# Altium PCB LOGTURTLE_APR_25_TX.PcbDoc (part 1 of 5) (continued)
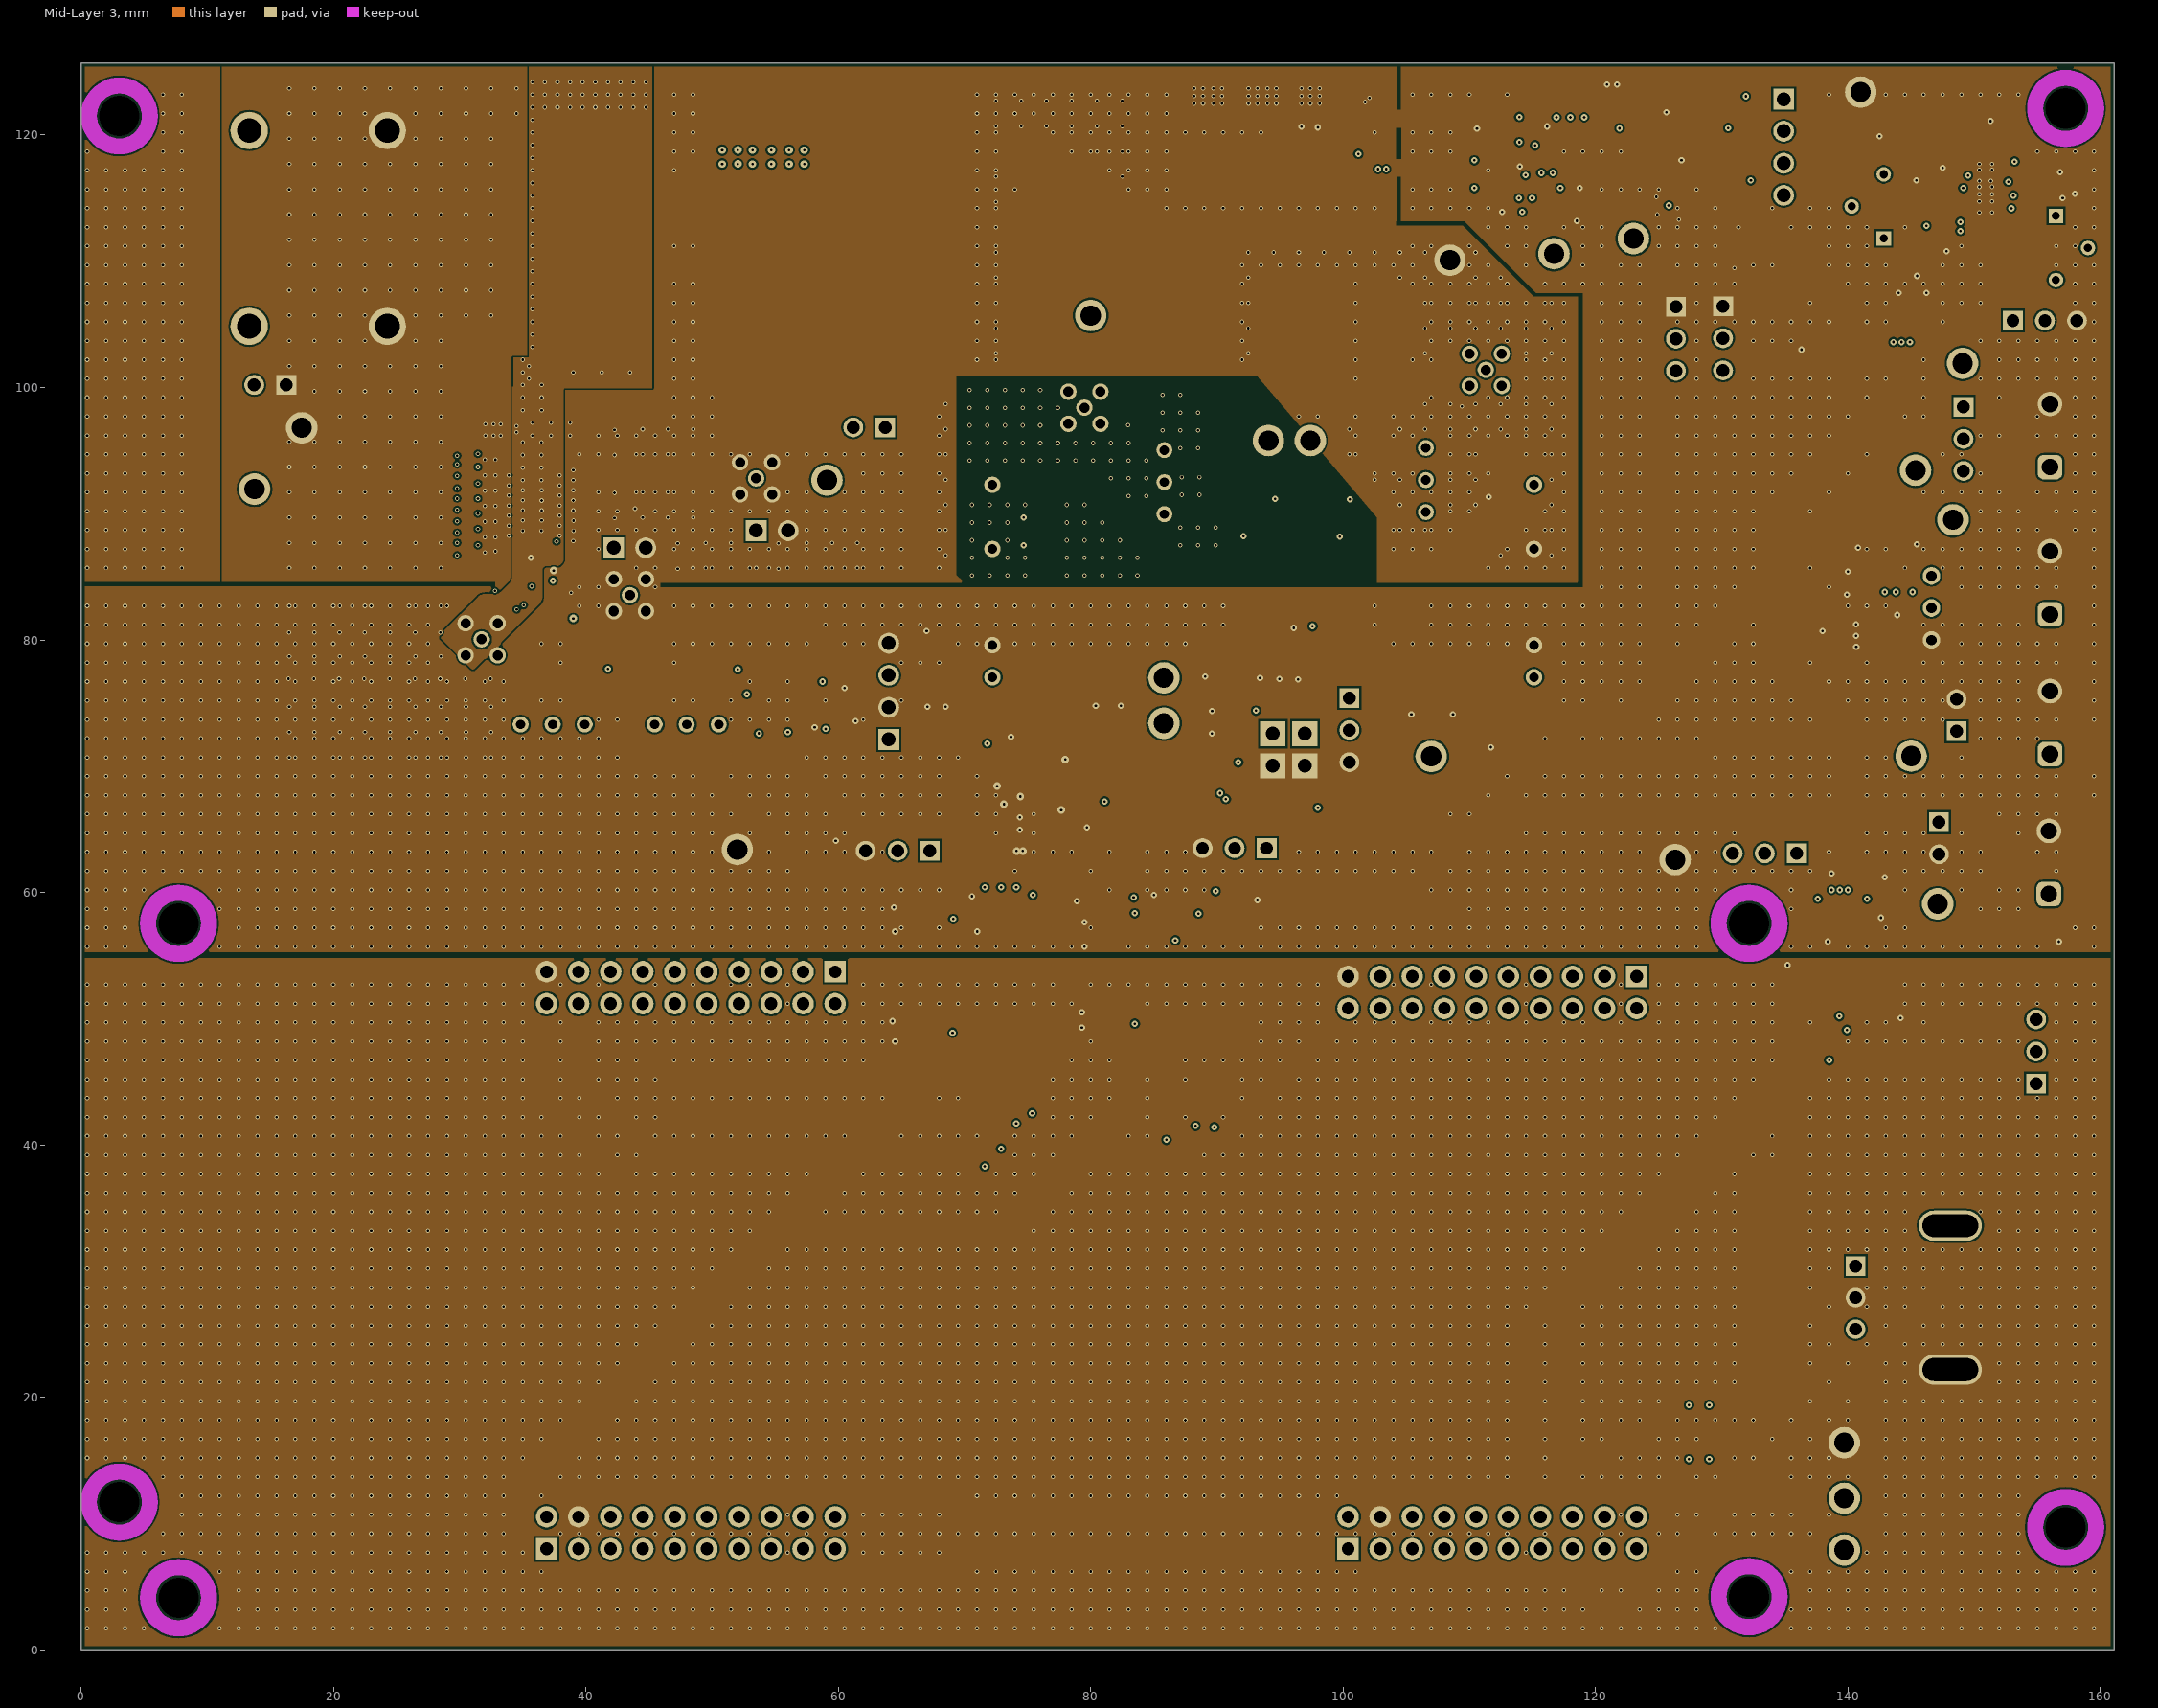
[diagram p4: Mid-Layer 3]
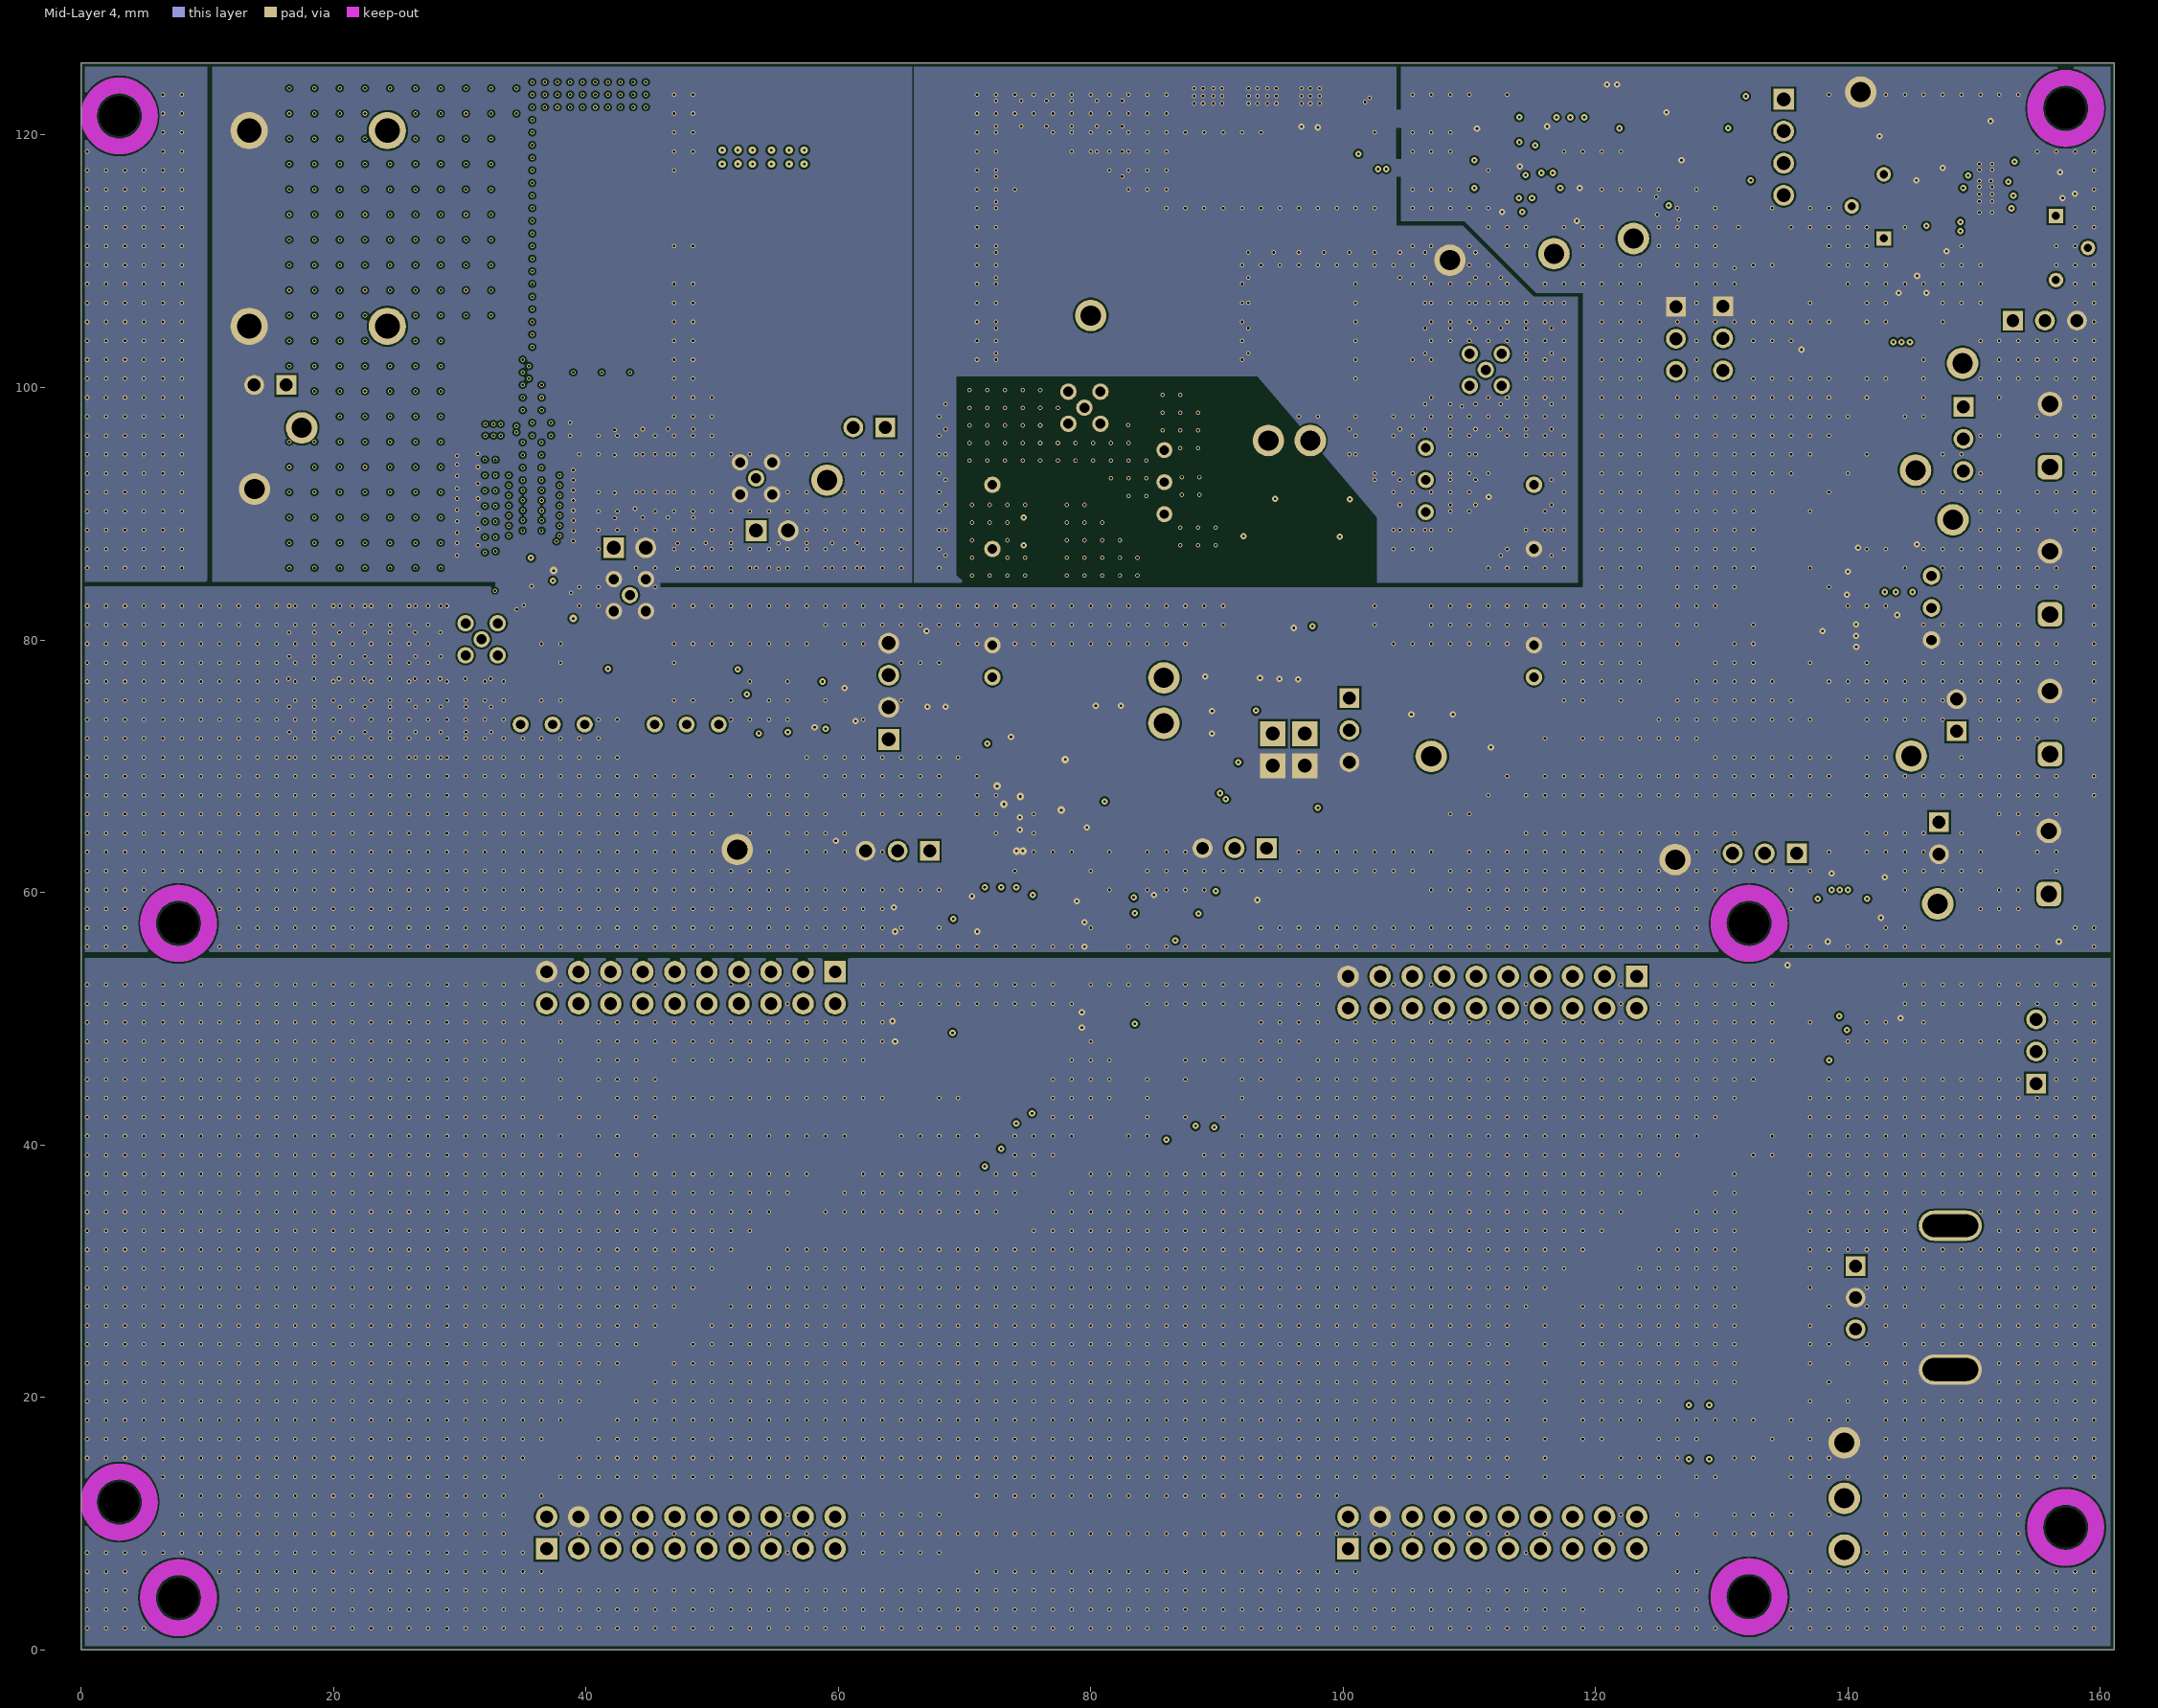
[diagram p5: Mid-Layer 4]

## Layer stack, top to bottom
Top Solder: solder mask 0.0102, Solder Resist, Dk 3.5
Top Layer: signal copper 0.07
Dielectric 1: core 0.3048, Core-029, Dk 4.7
Mid-Layer 1: signal copper 0.07
Dielectric3: prepreg 0.2184, PP-023, Dk 4.5
Mid-Layer 2: signal copper 0.07
Dielectric8: core 0.3048, Core-029, Dk 4.7
Mid-Layer 3: signal copper 0.07
Dielectric2: prepreg 0.2184, PP-023, Dk 4.5
Mid-Layer 4: signal copper 0.07
Dielectric5: core 0.3048, Core-029, Dk 4.7
Bottom Layer: signal copper 0.07
Bottom Solder: solder mask 0.0102, Solder Resist, Dk 3.5

## Board outline
0,125.7 161.1,125.7 161.1,0 0,0

## Design rules (kind name [scope] priority, off if disabled: settings)
BoardOutlineClearance BoardOutlineClearance_1 [OnLayer('Top Overlay')] p1: gap=0.254 ignorepadtopadclearanceinfootprint=FALSE except(0: Arc-SplitContinuation Track-OutlineEdge Track-CavityEdge Track-CutoutEdge Track-SplitBarrior Track-SplitContinuation SMDPad-SplitContinuation THPad-SplitContinuation Via-SplitContinuation Fill-SplitContinuation Poly-SplitContinuation Region-SplitContinuation Text-SplitContinuation)
BoardOutlineClearance [All] p2: gap=0.254 ignorepadtopadclearanceinfootprint=FALSE except(0: Arc-SplitContinuation Track-SplitContinuation SMDPad-SplitContinuation THPad-SplitContinuation Via-SplitContinuation Fill-SplitContinuation Poly-SplitContinuation Region-SplitContinuation Text-SplitContinuation; 0.3: Poly-OutlineEdge)
Clearance [All] p1: gap=0.15 ignorepadtopadclearanceinfootprint=FALSE except(0.14: Arc-Via Track-Via)
ComponentClearance [All] p1: gap=0.125 collisioncheckmode=3 verticalgap=0.125 showdistances=FALSE
HoleSize [All] p1: absolutevalues=TRUE maxlimit=4.445 minlimit=0.025 maxpercent=80.000 minpercent=20.000
MinimumSolderMaskSliver [All] p1: minsoldermaskwidth=0.1
PlaneClearance [All] p1: clearance=0.2
PlaneConnect [All] p1: planeconnectstyle=Direct reliefexpansion=0.508 reliefentries=4 reliefconductorwidth=0.254 reliefairgap=0.254
PolygonConnect [All] p1: connectstyle=Direct reliefconductorwidth=0.254 reliefentries=4 polygonreliefangle="90 Angle" airgapwidth=0.254
RoomDefinition U_CMP [InComponentClass('U_CMP')] p1: confinementstyle=ConfineIn formatcopy=TRUE lockcomponents=FALSE outline 19.625,0.792 94.255,0.247 94.06,14.629 82,14.7 81.583,56.25 19.625,56.25
RoomDefinition BiG1 [InComponentClass('BiG1')] p2: confinementstyle=ConfineIn formatcopy=TRUE lockcomponents=FALSE outline 108.19,-3.4 157.59,-3.4 157.59,47.3 108.19,47.3
RoomDefinition U_HB [InComponentClass('U_HB')] p3: confinementstyle=ConfineIn formatcopy=TRUE lockcomponents=FALSE outline 81.99,87.3 91.99,87.3 91.99,125.7 9.49,125.7 9.49,57.7 81.99,57.7
RoomDefinition U_CTUNE [InComponentClass('U_CTUNE')] p4: confinementstyle=ConfineIn formatcopy=TRUE lockcomponents=FALSE outline 82.815,21.75 82.815,85.65 102.315,85.65 102.315,21.75
RoomDefinition U_LDO [InComponentClass('U_LDO')] p5: confinementstyle=ConfineIn formatcopy=TRUE lockcomponents=FALSE outline 102.065,86.7 83.065,86.7 83.065,18.95 102.065,18.95
RoutingVias [All] p1: holewidth=0.2 width=0.5 viastyle="Through Hole" minholewidth=0.2 minwidth=0.35 maxholewidth=0.2 maxwidth=0.9
SilkToSilkClearance [All] p1: silktosilkclearance=0.15
SilkToSolderMaskClearance [IsPad] p1: minsilkscreentomaskgap=0.15 clearancetoexposedcopper=TRUE
SolderMaskExpansion [All] p1: expansion=0.025 istentingtop=FALSE
SupplyNets "Schematic Supply Nets_2" [InNet('S2')] p1: voltage=0.000
SupplyNets "Schematic Supply Nets_9" [InNet('+20')] p2: voltage=0.000
SupplyNets "Schematic Supply Nets_5" [InNet('-20')] p3: voltage=0.000
SupplyNets "Schematic Supply Nets_11" [InNet('DVDD5V')] p4: voltage=0.000
SupplyNets "Schematic Supply Nets_10" [InNet('DVDD3V3')] p5: voltage=0.000
SupplyNets "Schematic Supply Nets_3" [InNet('GND')] p6: voltage=0.000
SupplyNets "Schematic Supply Nets_6" [InNet('VIN')] p7: voltage=0.000
SupplyNets "Schematic Supply Nets_4" [InNet('AVDD5V')] p8: voltage=0.000
SupplyNets "Schematic Supply Nets_1" [InNet('VDD_UNREG_HB')] p9: voltage=0.000
SupplyNets "Schematic Supply Nets" [InNet('VDD_UNREG_12V')] p10: voltage=0.000
Width Width_1MM [InNetClass('1MMnETS')] p1: maxlimit=1.5 minlimit=0.15 preferedwidth=1
Width [All] p2: maxlimit=5 minlimit=0.15 preferedwidth=0.254
23 further rules are at their usual default settings.

## Classes and differential pairs
component class U_Reference: C74 C75 C76 C77 C78 C80 J20 J21 U2 U6
component class U_CTUNE: C7 C8 C9 C10 C11 C12 C13 C14
component class U_HB: C22 C23 C24 C25 C26 C27 C28 C29 C30 C31 C32 C33 C34 C35 C36 C37 C38 C39 C40 C41 C42 C43 C44 C45 C46 C47 C48 C49 C50 D2 D3 D4 D5 D6 D7 D8 IC1 IC2 J13 J14 JHB P5 P6 P7 Q1 Q2 Q3 R10 R11 R12 R13 R14 R15 R16 R17 R18 R19 R20 R21 R22 R23 R24 R25 R26 R27 R28 R29 R30 R31 R32 RREG_BYPA TP13 U3 UGD X1 X2 Z1
component class U_CMP: C15 C16 C17 C18 C19 C20 C21 C51 C52 C56 C57 C58 C59 C61 C62 C63 C64 C65 C66 C67 C68 C69 C79 C_VR1 C_VR2 CBST CINV CMP D19 D20 IC3 J22 J23 J_SP_IN JSPLIT R33 R34 R35 R36 R37 R40 R41 R42 R43 R56 R57 TP25 TP26 U4 U5
component class BiG1: C84 C85 C86 C87 C88 C89 C90 C91 C92 C93 C94 C95 C96 C97 D11 D12 GD1 HDR J_EN_GD P10 P11 PS1 PS2 R44 R45 R46 R47 R48 R49 R50 R51 R53 R54 R55 SW_TUNE TP27 TP28 TP29 TP32 TP33 TP34 TP35 X5 X6
component class U_LDO: C1 C2 C3 D1 R1 TP30 U1 VR1
component class Logturtle_TX_Toplevel: C4 C5 C6 C53 C54 C55 C60 C70 C71 C72 C73 D16 D17 D18 ENC1 IC4 IC5 J1 J2 J3 J4 J5 J6 J7 J8 J9 J10 J11 J12 J15 J16 J17 J18 J19 LTX R2 R3 R4 R5 R6 R7 R8 R9 R38 RRGNDREF TP1 TP2 TP3 TP4 TP5 TP6 TP7 TP8 TP9 TP10 TP11 TP12

## Components (designator, comment, footprint, x,y, rotation, side; value= is the part's Value field where it differs from the comment)
C1 "10μF" CAPC2012X14N 142.075,83.8 r0 top value=10uF
C2 "22μF" CAPC3225X27N 143.95,89.42 r180 top value=22uF
C3 "10μF" CAPC2012X14N 138.9,87.3 r180 top value=10uF
C4 "0.1μF" CAPC1608X90N 73.68,73.122 r90 top value=100nF
C5 "1μF" CAPC1608X09N 79.7,66 r90 top value=1uF
C6 "10μF" CAPC2012X14N 111.7,72.3 r90 top value=10uF
C7 "C1812C102JDGACAUTO" C1812 55.8,111.85 r90 bottom
C8 "C1812C102JDGACAUTO" C1812 51.3,111.85 r90 bottom
C9 "C1812C102JDGACAUTO" C1812 46.8,111.85 r90 bottom
C10 "C1812C102JDGACAUTO" C1812 41.8,111.85 r90 bottom
C11 "C1812C102JDGACAUTO" C1812 71.95,104.165 r180 top
C12 "C1812C102JDGACAUTO" C1812 71.95,108.665 r180 top
C13 "C1812C102JDGACAUTO" C1812 71.95,113.165 r180 top
C14 "C1812C102JDGACAUTO" C1812 71.95,118.165 r180 top
C15 "Capacitor" CAPC1608X09N 116.6,114 r180 top value=0.1u
C16 "Capacitor" CAPC1608X09N 111.092,120.912 r0 bottom value=0.1u
C17 "Capacitor" CAPC1608X09N 128.113,119.6 r90 top value=0.1u
C18 "Capacitor" CAPC1608X09N 128.1,123.1 r90 top value=0.1u
C19 "C1812C200JHGACTU" C1812 97.884,114.054 r270 top
C20 "C1812C200JHGACTU" C1812 93.673,114.054 r270 top
C21 "C1812C200JHGACTU" C1812 102.096,114.054 r270 top
C22 "GRM155R71C104KA88D" FP-GRM15-MFG 34.7,83.325 r0 bottom value=0.10μF
C23 "C1608X7R1E105K080AB" FP-C1608-080-0_1-IPC_C 76.875,65.95 r270 top
C24 "C1608X7R1E105K080AB" FP-C1608-080-0_1-IPC_C 77.875,68.95 r270 top
C25 "C1608X7R1E105K080AB" FP-C1608-080-0_1-IPC_C 73.625,68.95 r90 top
C26 "GRM155R71C104KA88D" FP-GRM15-MFG 38.325,86.7 r270 bottom value=0.10μF
C27 "C1005X7R1E223K050BB" FP-C1005-050-0_05-IPC_C 34.6,85.692 r90 bottom
C28 "C1608X7R1E104K080AA" FP-C1608-080-0_1-IPC_B 60.5,74.2 r90 top
C29 "C2012X7S2A105M125AB" CAPC2012X145N 31.425,97.858 r180 bottom
C30 "C2012X7S2A105M125AB" CAPC2012X145N 31.425,103.2 r180 bottom
C31 "C2012X7S2A105M125AB" CAPC2012X145N 31.425,101.419 r180 bottom
C32 "C2012X7S2A105M125AB" CAPC2012X145N 31.425,99.639 r180 bottom
C33 "C2012X7S2A105M125AB" CAPC2012X145N 31.425,92.517 r180 bottom
C34 "C2012X7S2A105M125AB" CAPC2012X145N 31.425,88.956 r180 bottom
C35 "C2012X7S2A105M125AB" CAPC2012X145N 31.425,87.175 r180 bottom
C36 "C2012X7S2A105M125AB" CAPC2012X145N 31.425,96.078 r180 bottom
C37 "C2012X7S2A105M125AB" CAPC2012X145N 31.425,94.297 r180 bottom
C38 "C2012X7S2A105M125AB" CAPC2012X145N 31.425,90.736 r180 bottom
C39 "C1608X7R1E104K080AA" FP-C1608-080-0_1-IPC_B 60.5,77.841 r90 top
C40 "HMK107C7224KAHTE" CAPC1608X90N 31.79,89.375 r180 top
C41 "HMK107C7224KAHTE" CAPC1608X90N 31.79,88.15 r180 top
C42 "HMK107C7224KAHTE" CAPC1608X90N 31.79,86.925 r180 top
C43 "HMK107C7224KAHTE" CAPC1608X90N 31.79,90.6 r180 top
C44 "HMK107C7224KAHTE" CAPC1608X90N 31.79,94.275 r180 top
C45 "HMK107C7224KAHTE" CAPC1608X90N 31.79,93.05 r180 top
C46 "HMK107C7224KAHTE" CAPC1608X90N 31.79,91.825 r180 top
C47 "CC0402KRX7R8BB104" FP-CC0402-MFG 34.3,84.025 r270 top value="100 nF"
C48 "VJ0402A101KXAMC" CAPC1005X60X26NL10T16 35.525,83.45 r0 top
C49 "VJ0402A101KXAMC" CAPC1005X60X26NL10T16 37.3,83.45 r180 top
C50 "C1005X5R1A475K050BC" FP-C1005-050-0_15-MFG 37.925,85.1 r90 top
C51 "C1812C200JHGACTU" C1812 89.462,114.054 r270 top
C52 "10μF" CAPC2012X14N 117.9,115.8 r180 bottom value=10uF
C53 "0.1μF" CAPC1608X90N 66.45,56.589 r0 bottom value=100nF
C54 "1μF" CAPC1608X09N 66.45,58.3 r0 bottom value=1uF
C55 "0.1μF" CAPC1608X90N 66.3,47.989 r0 bottom value=100nF
C56 "C1812C102JDGACAUTO" C1812 89.462,120.554 r270 top
C57 "C1812C102JDGACAUTO" C1812 93.673,120.554 r270 top
C58 "C1812C102JDGACAUTO" C1812 102.096,120.554 r270 top
C59 "C1812C102JDGACAUTO" C1812 97.884,120.554 r270 top
C60 "1μF" CAPC1608X09N 66.3,49.7 r0 bottom value=1uF
C61 "1μF" CAPC1608X09N 123.8,121.3 r270 top value=1uF
C62 "0.1μF" CAPC1608X90N 122.343,121.421 r270 top value=100nF
C63 "10μF" CAPC2012X14N 144.775,119.5 r0 top value=10uF
C64 "10μF" CAPC2012X14N 157.9,116.9 r90 top value=10uF
C65 "10μF" CAPC2012X14N 147.619,113 r90 top value=10uF
C66 "Capacitor" CAPC1608X09N 155.3,116.3 r0 bottom value=0.1u
C67 "Capacitor" CAPC1608X09N 147.5,116.1 r180 bottom value=0.1u
C68 "10μF" CAPC2012X14N 152.575,119.7 r0 top value=10uF
C69 "10μF" CAPC2012X14N 145.373,110.939 r90 top value=10uF
C70 "0.1μF" CAPC1608X90N 81,48.989 r0 bottom value=100nF
C71 "1μF" CAPC1608X09N 81,51 r0 bottom value=1uF
C72 "0.1μF" CAPC1608X90N 81.2,56.189 r0 bottom value=100nF
C73 "1μF" CAPC1608X09N 81.2,58 r0 bottom value=1uF
C74 "1μF" CAPC1608X09N 143.414,51.542 r90 top value=1uF
C75 "1μF" CAPC1608X09N 135.786,52.798 r270 top value=1uF
C76 "1μF" CAPC1608X09N 141.5,60.2 r270 bottom value=1uF
C77 "1μF" CAPC1608X09N 137.6,60.2 r270 bottom value=1uF
C78 "1μF" CAPC1608X09N 146.662,105.801 r270 top value=1uF
C79 "Capacitor" CAPC1608X09N 117.9,115.8 r0 top value=0.1u
C80 "1μF" CAPC1608X09N 144.562,105.801 r270 top value=1uF
C84 "C0603C103K5RACTU" C0603 96.425,78.574 r90 top value=10n
C85 "C0603C104K5RACTU7042" CAPC1608X95N 94.95,78.674 r90 top value=100n
C86 "0.1μF" CAPC1608X90N 93.95,91.175 r0 top value=100nF
C87 "CL10C101JB8NNNC" CAPC1608X90N 89.074,78.574 r90 top value=100p
C88 "0.1μF" CAPC1608X90N 99.14,89.3 r0 top value=100nF
C89 "CL10C101JB8NNNC" CAPC1608X90N 93.466,78.574 r90 top value=100p
C90 "10μF" CAPC2012X14N 79.4,72.7 r270 top value=10uF
C91 "10μF" CAPC2012X14N 82.4,72.7 r270 top value=10uF
C92 "10μF" CAPC2012X14N 107.95,76.075 r90 top value=10uF
C93 "10μF" CAPC2012X14N 105.7,76 r90 top value=10uF
C94 "10μF" CAPC2012X14N 75.5,89.7 r0 bottom value=10uF
C95 "10μF" CAPC2012X14N 75.5,87.5 r0 bottom value=10uF
C96 "10μF" CAPC2012X14N 112.362,91.322 r0 bottom value=10uF
C97 "10μF" CAPC2012X14N 112.362,94.322 r0 bottom value=10uF
C_VR1 "Capacitor" CAPC1608X09N 113.134,118.675 r90 bottom value=0.1u
C_VR2 "Capacitor" CAPC1608X09N 112.8,116 r90 bottom value=0.1u
CBST "1μF" CAPC1608X09N 148.7,119.5 r0 top value=1uF
CINV "1μF" CAPC1608X09N 150.9,112 r180 top value=1uF
CMP "TLV1872DGSR" SOP50P490X110-10N 114.45,118.125 r270 top
D1 "" SODFL160X70-2N 142.1,85.6 r0 top
D2 "SDM03U40-7" FP-SOD523-MFG 37.4,84.65 r0 bottom value=2pF
D3 "SDM03U40-7" FP-SOD523-MFG 35.655,86.992 r180 bottom value=2pF
D4 "SDM03U40-7" FP-SOD523-MFG 36.25,76.7 r180 top value=2pF
D5 "SS2PH10-M3_84A" DO-220AA 32.74,96.7 r0 top
D6 "SDM03U40-7" FP-SOD523-MFG 46.87,76.7 r180 top value=2pF
D7 "SS2PH10-M3_84A" DO-220AA 37.24,96.7 r0 top
D8 "BAT54KFILM" FP-SOD-523-MFG 37.825,83.275 r0 bottom value=7pF
D11 "MBRX120LF-TP" FP-SOD-123-IPC_A 89.83,92.499 r90 top
D12 "MBRX120LF-TP" FP-SOD-123-IPC_A 102.655,93.024 r90 top
D16 "SS14" FP-403AE-MFG 153.1,96.7 r270 bottom
D17 "SS14" FP-403AE-MFG 158.5,62.6 r270 bottom
D18 "SS14" FP-403AE-MFG 158.6,73.7 r270 bottom
D19 "SS14" FP-403AE-MFG 136.06,107.845 r180 top
D20 "SS14" FP-403AE-MFG 134.625,111.32 r0 top
ENC1 "PEC11R-4320K-N0012" FP-PEC11R-4320K-N0012-MFG 148.1,27.9 r270 top
GD1 "Si8275GBD-IS1" SOIC127P600X175-16N 96.536,85.205 r90 top
HDR "Header 2x2" "HEADER 2X2" 95.7,71.3 r90 top
IC1 "NC7SZ08L6X" NC7SZ08L6X 58.5,74.2 r270 top
IC2 "NC7SZ00L6X" NC7SZ00L6X 58.375,77.7 r270 top
IC3 "DMN601DMK-7" SOT95P280X100-6N 98,119.7 r0 bottom
IC4 "ISO6740FDWR" SOIC127P1030X255-16N 73.5,53.6 r90 top
IC5 "ISO6442FDWR" SOIC127P1030X255-16N 87.9,53.6 r90 top
J1 "24.243.1" FP-24_243_1-MFG 24.575,111.85 r90 top
J2 "TSW-102-14-G-S" FP-TSW-102-14-G-S-MFG 15,100.2 r180 bottom
J3 "TSW-103-14-G-S" FP-TSW-103-14-G-S-MFG 149.148,95.929 r270 top
J4 "TSW-102-14-G-S" FP-TSW-102-14-G-S-MFG 62.452,96.839 r180 top
J5 "" FP-24_243_2-MFG 13.025,113.35 r270 top
J6 "TSW-102-14-G-S" FP-TSW-102-14-G-S-MFG 147.206,64.294 r270 top
J7 "691134710002" 691134710002 155.5,96.191 r90 top
J8 "TSW-102-14-G-S" FP-TSW-102-14-G-S-MFG 148.6,74.04 r90 top
J9 "HDR_2x10_P2.54mm_Vertical_Alternate" "HDR_2X10_P2.54MM_VERTICAL - ALTERNATE" 36.89,8.001 r90 top
J10 "HDR_2x10_P2.54mm_Vertical_Alternate" "HDR_2X10_P2.54MM_VERTICAL - ALTERNATE" 59.75,53.721 r270 top
J11 "HDR_2x10_P2.54mm_Vertical_Alternate" "HDR_2X10_P2.54MM_VERTICAL - ALTERNATE" 123.25,53.354 r270 top
J12 "HDR_2x10_P2.54mm_Vertical_Alternate" "HDR_2X10_P2.54MM_VERTICAL - ALTERNATE" 100.39,8.001 r90 top
J13 "PH1-02-UA" HDRV2W64P0X254_1X2_508X250X850P 53.49,88.657 r0 top
J14 "PH1-02-UA" HDRV2W64P0X254_1X2_508X250X850P 42.2,87.3 r0 top
J15 "691134710002" 691134710002 155.406,62.375 r90 top
J16 "691134710002" 691134710002 155.5,84.525 r90 top
J17 "691134710002" 691134710002 155.5,73.45 r90 top
J18 "TSW-103-14-G-S" FP-TSW-103-14-G-S-MFG 64.7,63.3 r180 top
J19 "TSW-103-14-G-S" FP-TSW-103-14-G-S-MFG 91.4,63.5 r180 top
J20 "TSW-103-14-G-S" FP-TSW-103-14-G-S-MFG 133.4,63.1 r180 top
J21 "TSW-103-14-G-S" FP-TSW-103-14-G-S-MFG 154.9,47.4 r90 top
J22 "TSW-103-14-G-S" FP-TSW-103-14-G-S-MFG 130.1,103.9 r270 top
J23 "TSW-103-14-G-S" FP-TSW-103-14-G-S-MFG 126.365,103.86 r270 top
J_EN_GD "TSW-103-14-G-S" FP-TSW-103-14-G-S-MFG 100.49,72.86 r270 top
J_SP_IN "TSW-103-14-G-S" FP-TSW-103-14-G-S-MFG 155.6,105.3 r0 top
JHB "Header 4x1" HDRV4W64P0X254_1X4_1016X250X901P 64,72.12 r90 top
JSPLIT "Header 4x1" HDRV4W64P0X254_1X4_1016X250X901P 134.9,122.84 r270 top